# KiCad board DFTBoard.kicad_pcb (continued)
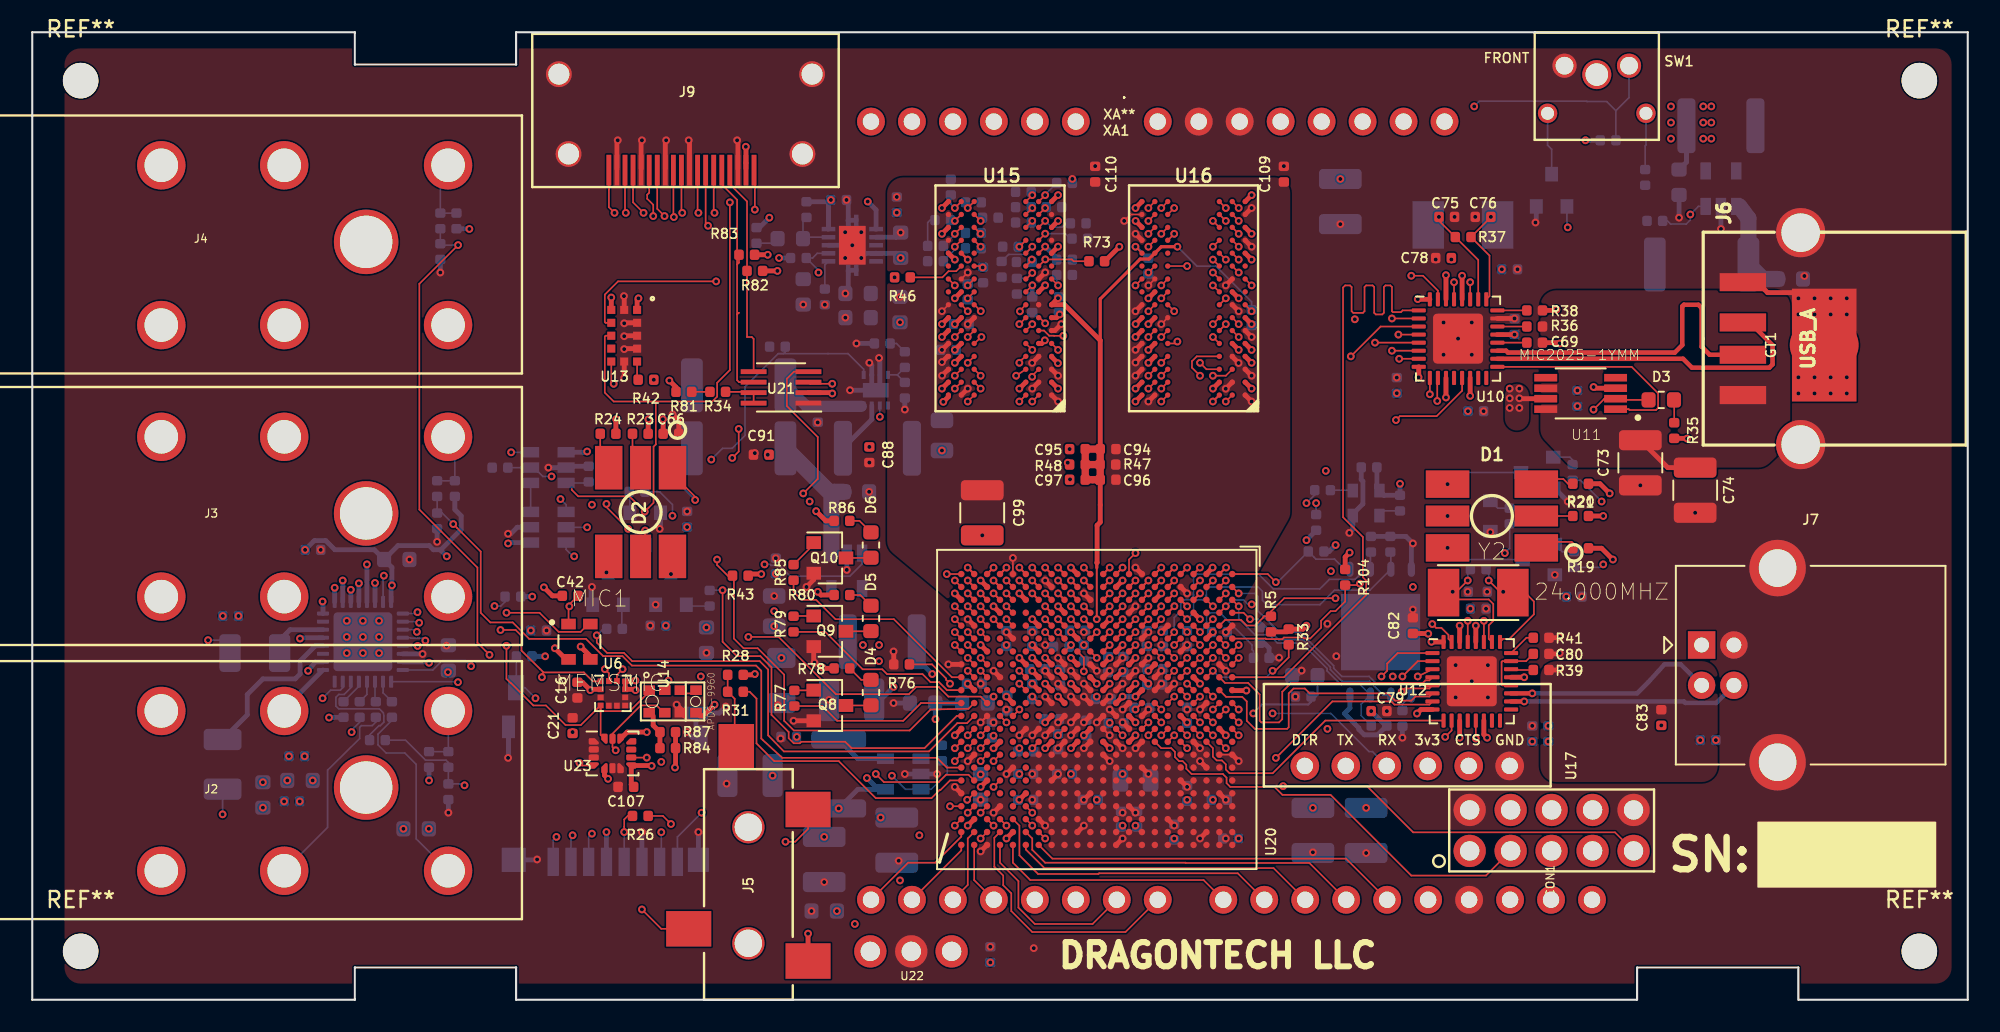
[diagram p0: board, top side]
## Routing (per net, layer and track width the routed paths; a pad name or vN(x,y) marks a point on that pad's centre or on a via; arc(x,y) is an arc through that point) (continued)
DDR3_BA0: length 51.5
  TOP_GND w0.102: U16.M2 v1(74.8,45.9) ; U15.M2 62.8,46.7 v1(62.8,46.71)
  TOP_GND w0.13: U20.L7 v1(66.8,22)
  SIGNAL4 w0.102: v1(66.8,22) 66.4,22.4 66.4,26.98 67.93,28.51 69.11,28.51 69.4,28.8 69.43,28.83 69.47,28.85 69.52,28.86 69.56,28.86 69.6,28.85 69.64,28.83 69.71,28.77 69.75,28.75 69.79,28.74 69.84,28.74 69.88,28.75 69.92,28.77 69.95,28.8 70.1,28.95 70.13,28.98 70.15,29.02 70.16,29.06 70.16,29.11 70.15,29.15 70.13,29.19 70.1,29.22 69.96,29.36 69.97,29.37 69.83,29.5 69.8,29.54 69.78,29.58 69.77,29.62 69.77,29.66 69.78,29.71 69.8,29.74 69.83,29.78 69.98,29.93 70.01,29.95 70.05,29.97 70.09,29.98 70.14,29.98 70.18,29.97 70.22,29.95 70.25,29.93 70.53,29.65 70.56,29.62 70.6,29.61 70.64,29.6 70.69,29.6 70.73,29.61 70.77,29.62 70.8,29.65 70.95,29.8 70.98,29.83 71,29.87 71.01,29.92 71.01,29.96 71,30 70.98,30.04 70.95,30.08 70.68,30.35 70.65,30.39 70.63,30.43 70.62,30.47 70.62,30.51 70.63,30.55 70.65,30.59 70.68,30.63 70.83,30.78 70.86,30.8 70.9,30.82 70.94,30.83 70.98,30.83 71.03,30.82 71.07,30.8 71.1,30.78 71.38,30.5 71.41,30.47 71.45,30.45 71.49,30.44 71.54,30.44 71.58,30.45 71.62,30.47 71.65,30.5 71.8,30.65 71.83,30.68 71.85,30.72 71.86,30.77 71.86,30.81 71.85,30.85 71.83,30.89 71.8,30.92 71.52,31.2 71.5,31.23 71.48,31.27 71.47,31.32 71.47,31.36 71.48,31.4 71.5,31.44 71.52,31.48 71.67,31.62 71.71,31.65 71.75,31.67 71.79,31.68 71.83,31.68 71.88,31.67 71.92,31.65 71.98,31.6 72.02,31.58 72.07,31.57 72.11,31.57 72.15,31.58 72.19,31.6 72.22,31.62 73.1,32.5 77.55,36.95 77.55,45.3 76.55,46.3 75.2,46.3 v1(74.8,45.9) 73.85,46.85 73.63,46.85 73.38,47.1 67.45,47.1 67.05,47.5 64.95,47.5 64.55,47.1 63.19,47.1 v1(62.8,46.71) 62.8,46.6
  BOTTOM w0.3: R66.1 63.51,45.99 v1(62.8,46.71)
DDR3_BA1: length 50.1
  TOP_GND w0.102: U15.N8 v1(57.2,46.7) ; U16.N8 v1(69.2,46.7)
  TOP_GND w0.13: U20.L6 v1(66.8,22.8)
  SIGNAL1 w0.102: 57.2,46.51 v1(57.2,46.7) 57.59,46.31 58.62,46.31 59.41,45.51 63.19,45.51 63.21,45.49 67.29,45.49 68.11,46.31 68.81,46.31 v1(69.2,46.7) 69.2,45.68 71.25,43.63 71.25,41.75 70.2,40.7 67.3,40.7 66.43,39.83 66.43,32.17 66.42,32.13 66.41,32.09 66.38,32.05 66.35,32.02 66.31,31.99 66.27,31.98 66.22,31.97 66.15,31.97 66.11,31.97 66.07,31.96 66.03,31.93 66,31.9 65.97,31.86 65.96,31.82 65.95,31.78 65.96,31.73 65.97,31.69 66,31.65 66.03,31.62 66.07,31.59 66.11,31.58 66.15,31.57 66.7,31.57 66.74,31.57 66.78,31.56 66.82,31.53 66.85,31.5 66.88,31.46 66.89,31.42 66.9,31.38 66.89,31.33 66.88,31.29 66.85,31.25 66.82,31.22 66.78,31.19 66.74,31.18 66.7,31.18 66.15,31.18 66.11,31.17 66.07,31.16 66.03,31.13 66,31.1 65.97,31.06 65.96,31.02 65.95,30.97 65.96,30.93 65.97,30.89 66,30.85 66.03,30.82 66.07,30.79 66.11,30.78 66.15,30.78 66.7,30.78 66.74,30.77 66.78,30.76 66.82,30.73 66.85,30.7 66.88,30.66 66.89,30.62 66.9,30.57 66.89,30.53 66.88,30.49 66.85,30.45 66.82,30.42 66.78,30.39 66.74,30.38 66.7,30.38 66.62,30.38 66.58,30.37 66.54,30.36 66.5,30.33 66.47,30.3 66.44,30.26 66.43,30.22 66.43,30.18 66.43,30.03 65.6,29.2 65.6,24.15 65.45,24 64.95,24 64.8,23.85 64.8,23.3 64.9,23.2 66.26,23.2 66.66,22.8 v1(66.8,22.8)
  BOTTOM w0.102: v1(57.2,46.7) 57.2,46.52 R67.1
DDR3_BA2: length 52.4
  TOP_GND w0.102: U16.M3 v1(74,45.9) ; U15.M3 v1(62,46.7)
  TOP_GND w0.13: U20.M6 v1(66,22.8)
  SIGNAL2 w0.102: v1(62,46.7) 62.39,46.31 64.31,46.31 64.56,46.05 67.97,46.05 68.23,46.31 73.59,46.31 v1(74,45.9)
  SIGNAL4 w0.102: v1(66,22.8) 65.59,23.21 65.59,23.85 66,24.25 66,26.91 67.8,28.71 68.41,28.71 71.72,32.03 71.76,32.05 71.8,32.07 71.84,32.08 71.89,32.08 71.93,32.07 71.97,32.05 72.04,32 72.08,31.98 72.13,31.97 72.17,31.97 72.22,31.98 72.26,32 72.29,32.03 72.43,32.17 72.46,32.2 72.48,32.24 72.49,32.29 72.49,32.33 72.48,32.37 72.46,32.41 72.43,32.45 72.11,32.77 72.08,32.81 72.05,32.86 72.04,32.92 72.04,32.97 72.05,33.03 72.08,33.08 72.11,33.12 72.18,33.19 72.23,33.23 72.28,33.25 72.33,33.26 72.39,33.26 72.44,33.25 72.49,33.23 72.54,33.19 72.86,32.87 72.89,32.85 72.93,32.83 72.98,32.82 73.02,32.82 73.06,32.83 73.1,32.85 73.14,32.87 73.28,33.01 73.31,33.05 73.33,33.09 73.34,33.13 73.34,33.18 73.33,33.22 73.31,33.26 73.28,33.3 72.96,33.62 72.93,33.66 72.9,33.71 72.89,33.76 72.89,33.82 72.9,33.88 72.93,33.93 72.96,33.97 73.03,34.04 73.08,34.08 73.13,34.1 73.18,34.11 73.24,34.11 73.29,34.1 73.34,34.08 73.39,34.04 73.7,33.72 73.74,33.69 73.78,33.67 73.82,33.66 73.87,33.66 73.91,33.67 73.95,33.69 73.99,33.72 74.13,33.86 74.16,33.9 74.18,33.94 74.19,33.98 74.19,34.03 74.18,34.07 74.16,34.11 74.13,34.15 73.81,34.46 73.78,34.51 73.75,34.56 73.74,34.61 73.74,34.67 73.75,34.72 73.78,34.77 73.81,34.82 73.88,34.89 73.93,34.92 73.98,34.95 74.03,34.96 74.09,34.96 74.14,34.95 74.19,34.92 74.24,34.89 74.55,34.57 74.59,34.54 74.63,34.52 74.67,34.51 74.72,34.51 74.76,34.52 74.8,34.54 74.84,34.57 74.98,34.71 75.01,34.75 75.03,34.79 75.04,34.83 75.04,34.88 75.03,34.92 75.01,34.96 74.95,35.03 74.93,35.07 74.92,35.11 74.92,35.16 74.93,35.2 74.95,35.24 74.98,35.28 76.35,36.65 76.35,41.7 77.05,42.4 77.05,45.15 76.7,45.5 74.4,45.5 v1(74,45.9) 74,45.7
  BOTTOM w0.102: v1(62,46.7) 61.52,46.22 60.54,46.22 R68.1
DDR3_CAS#: length 52.1
  TOP_GND w0.102: U16.K3 v1(73.2,45.1) ; U15.K3 61.62,44.7 v1(62,45.08)
  TOP_GND w0.13: U20.P3 v1(63.6,25.2)
  SIGNAL1 w0.102: v1(63.6,25.2) 63.6,25.39
  SIGNAL2 w0.102: v1(62,45.08) 62.42,45.5 62.75,45.5 64.15,45.5 64.45,45.2 64.6,45.2 64.63,45.2 64.66,45.19 64.68,45.17 64.71,45.15 64.72,45.12 64.73,45.09 64.74,45.03 64.75,45.01 64.76,44.98 64.79,44.96 64.81,44.94 64.84,44.93 64.87,44.93 65,44.93 65.03,44.93 65.06,44.94 65.08,44.96 65.11,44.98 65.12,45.01 65.13,45.03 65.14,45.09 65.15,45.12 65.16,45.15 65.19,45.17 65.21,45.19 65.24,45.2 65.27,45.2 66.4,45.2 66.44,45.19 66.49,45.18 66.52,45.16 66.56,45.12 66.58,45.09 66.59,45.04 66.61,44.96 66.62,44.91 66.64,44.88 66.68,44.84 66.71,44.82 66.76,44.81 66.8,44.8 66.84,44.81 66.89,44.82 66.92,44.84 66.96,44.88 66.98,44.91 66.99,44.96 67,45 67,45.35 67,45.38 67.01,45.42 67.03,45.44 67.06,45.47 67.08,45.49 67.12,45.5 67.15,45.5 67.25,45.5 67.28,45.5 67.32,45.49 67.34,45.47 67.37,45.44 67.39,45.42 67.4,45.38 67.4,45.32 67.41,45.28 67.43,45.26 67.46,45.23 67.48,45.21 67.52,45.2 67.55,45.2 68.72,45.2 69.01,45.49 70.91,45.49 71.3,45.1 v1(73.2,45.1)
  SIGNAL4 w0.102: v1(73.2,45.1) U16.K3 73.6,43.9 71.41,41.71 71.41,40.5 71.4,40.44 71.38,40.39 71.35,40.35 71.32,40.31 71.27,40.28 71.22,40.26 71.11,40.25 71.06,40.23 71.01,40.2 70.97,40.17 70.95,40.12 70.93,40.07 70.92,40.01 70.92,39.9 70.93,39.84 70.95,39.79 70.97,39.75 71.01,39.71 71.06,39.68 71.11,39.66 71.16,39.66 71.55,39.66 71.58,39.65 71.61,39.64 71.64,39.63 71.66,39.6 71.68,39.58 71.69,39.55 71.69,39.51 71.69,39.2 71.69,39.17 71.68,39.14 71.66,39.11 71.64,39.09 71.61,39.07 71.58,39.06 71.55,39.06 71.16,39.06 71.11,39.05 71.06,39.03 71.01,39 70.97,38.97 70.95,38.92 70.93,38.87 70.92,38.81 70.92,38.7 70.93,38.64 70.95,38.59 70.97,38.55 71.01,38.51 71.06,38.48 71.11,38.46 71.16,38.46 71.55,38.46 71.58,38.45 71.61,38.44 71.64,38.43 71.66,38.4 71.68,38.38 71.69,38.35 71.69,38.31 71.69,38 71.69,37.97 71.68,37.94 71.66,37.91 71.64,37.89 71.61,37.87 71.58,37.86 71.55,37.86 71.16,37.86 71.11,37.85 71.06,37.83 71.01,37.8 70.97,37.77 70.95,37.72 70.93,37.67 70.92,37.61 70.92,37.5 70.93,37.44 70.95,37.39 70.97,37.35 71.01,37.31 71.06,37.28 71.11,37.26 71.16,37.26 71.41,37.26 71.41,37.25 71.55,37.25 71.58,37.24 71.61,37.23 71.64,37.22 71.66,37.19 71.68,37.17 71.69,37.14 71.69,37.11 71.69,36.79 70.86,35.96 70.83,35.92 70.81,35.87 70.8,35.82 70.8,35.77 70.81,35.71 70.83,35.66 70.9,35.58 70.92,35.53 70.93,35.48 70.93,35.42 70.92,35.37 70.9,35.32 70.86,35.28 70.78,35.2 70.74,35.16 70.69,35.14 70.64,35.13 70.58,35.13 70.53,35.14 70.48,35.16 70.44,35.2 70.1,35.54 70.06,35.57 70.01,35.6 69.95,35.61 69.9,35.61 69.85,35.6 69.8,35.57 69.76,35.54 69.67,35.46 69.64,35.42 69.62,35.37 69.6,35.31 69.6,35.26 69.62,35.21 69.64,35.16 69.67,35.12 70.02,34.77 70.05,34.73 70.07,34.68 70.09,34.63 70.09,34.58 70.07,34.52 70.05,34.47 70.02,34.43 69.93,34.35 69.89,34.32 69.84,34.29 69.79,34.28 69.74,34.28 69.68,34.29 69.63,34.32 69.59,34.35 69.25,34.69 69.21,34.73 69.16,34.75 69.11,34.76 69.05,34.76 69,34.75 68.95,34.73 68.91,34.69 68.83,34.61 68.79,34.57 68.77,34.52 68.76,34.47 68.76,34.41 68.77,34.36 68.79,34.31 68.83,34.27 69.17,33.93 69.2,33.88 69.23,33.83 69.24,33.78 69.24,33.73 69.23,33.67 69.2,33.63 69.17,33.58 69.09,33.5 69.04,33.47 68.99,33.44 68.94,33.43 68.89,33.43 68.83,33.44 68.79,33.47 68.74,33.5 68.4,33.84 68.36,33.88 68.31,33.9 68.26,33.91 68.2,33.91 68.15,33.9 68.1,33.88 68.06,33.84 67.98,33.76 67.94,33.72 67.92,33.67 67.91,33.62 67.91,33.56 67.92,33.51 67.94,33.46 67.98,33.42 68.32,33.08 68.35,33.03 68.38,32.99 68.39,32.93 68.39,32.88 68.38,32.83 68.35,32.78 68.32,32.73 68.24,32.65 68.2,32.62 68.15,32.6 68.09,32.58 68.04,32.58 67.99,32.6 67.94,32.62 67.9,32.65 67.55,33 67.51,33.03 67.46,33.05 67.41,33.06 67.35,33.06 67.3,33.05 67.25,33.03 67.21,33 67.13,32.91 67.09,32.87 67.07,32.82 67.06,32.77 67.06,32.71 67.07,32.66 67.09,32.61 67.13,32.57 67.47,32.23 67.5,32.19 67.53,32.14 67.54,32.08 67.54,32.03 67.53,31.98 67.5,31.93 67.47,31.89 67.39,31.8 67.35,31.77 67.3,31.75 67.24,31.73 67.19,31.73 67.14,31.75 67.09,31.77 67.05,31.8 66.7,32.15 66.66,32.18 66.61,32.2 66.56,32.22 66.51,32.22 66.45,32.2 66.4,32.18 66.36,32.15 66.28,32.06 66.25,32.02 66.22,31.97 66.21,31.92 66.21,31.87 66.22,31.81 66.25,31.76 66.28,31.72 66.45,31.55 66.45,31.55 66.62,31.37 66.65,31.33 66.67,31.28 66.69,31.23 66.69,31.18 66.67,31.12 66.65,31.07 66.62,31.03 66.53,30.95 66.49,30.92 66.44,30.89 66.39,30.88 66.34,30.88 66.28,30.89 66.23,30.92 66.15,30.98 66.1,31.01 66.05,31.02 65.99,31.02 65.94,31.01 65.89,30.98 65.85,30.95 63.2,28.3 63.2,25.6 v1(63.6,25.2)
  BOTTOM w0.102: R70.1 61.66,44.73 v1(62,45.08)
DDR3_CK_N: length 48.3
  TOP_GND w0.102: U15.K7 v1(58,44.3) ; U16.K7 v1(70,44.3)
  TOP_GND w0.13: U20.N5 v1(64.4,23.6)
  SIGNAL1 w0.102: v1(64.4,23.6) 64.4,23.74 64.8,24.14 64.8,27.71 64.8,27.72 64.8,28.8 65.4,29.39 65.4,34.4 65.4,34.41 65.41,34.43 65.42,34.44 65.43,34.45 65.44,34.46 65.46,34.47 65.47,34.47 65.59,34.47 65.65,34.48 65.7,34.49 65.75,34.53 65.8,34.57 65.83,34.62 65.85,34.67 65.85,34.73 65.85,35.01 65.85,35.07 65.83,35.13 65.8,35.17 65.75,35.22 65.7,35.25 65.65,35.27 65.59,35.27 64.95,35.27 64.91,35.28 64.88,35.29 64.85,35.31 64.83,35.33 64.81,35.36 64.8,35.39 64.8,35.42 64.8,35.52 64.8,35.55 64.81,35.59 64.83,35.61 64.85,35.64 64.88,35.65 64.91,35.67 64.95,35.67 65.67,35.67 65.74,35.68 65.81,35.7 65.88,35.74 65.93,35.79 65.97,35.86 65.99,35.93 66,36 66,36.14 65.99,36.22 65.97,36.29 65.93,36.35 65.88,36.4 65.81,36.44 65.74,36.46 65.67,36.47 64.95,36.47 64.91,36.48 64.88,36.49 64.85,36.51 64.83,36.53 64.81,36.56 64.8,36.59 64.8,36.62 64.8,36.72 64.8,36.75 64.81,36.79 64.83,36.81 64.85,36.84 64.88,36.85 64.91,36.87 64.95,36.87 65.67,36.87 65.74,36.88 65.81,36.9 65.88,36.94 65.93,36.99 65.97,37.06 65.99,37.13 66,37.2 66,37.34 65.99,37.42 65.97,37.49 65.93,37.55 65.88,37.6 65.81,37.64 65.74,37.66 65.67,37.67 64.95,37.67 64.91,37.68 64.88,37.69 64.85,37.71 64.83,37.73 64.81,37.76 64.8,37.79 64.8,37.82 64.8,37.92 64.8,37.95 64.81,37.99 64.83,38.01 64.85,38.04 64.88,38.05 64.91,38.07 64.95,38.07 65.67,38.07 65.74,38.08 65.81,38.1 65.88,38.14 65.93,38.19 65.97,38.26 65.99,38.33 66,38.4 66,38.54 65.99,38.62 65.97,38.69 65.93,38.75 65.88,38.8 65.81,38.84 65.74,38.86 65.67,38.87 64.95,38.87 64.91,38.88 64.88,38.89 64.85,38.91 64.83,38.93 64.81,38.96 64.8,38.99 64.8,39.02 64.8,39.12 64.8,39.15 64.81,39.19 64.83,39.21 64.85,39.24 64.88,39.25 64.91,39.27 64.95,39.27 65.07,39.27 65.14,39.28 65.21,39.3 65.28,39.34 65.33,39.39 65.37,39.46 65.39,39.53 65.4,39.6 65.4,41.35 65.55,41.5 70.2,41.5 70.4,41.7 70.4,43.9 v1(70,44.3) 69.6,43.9 69,43.9 68.43,43.33 68.12,43.33 67.91,43.11 62.6,43.11 62.12,43.6 59.04,43.6 58.34,44.3 v1(58,44.3)
DDR3_CK_P: length 46.8
  TOP_GND w0.102: U15.J7 v1(58,43.5) ; U16.J7 v1(70,43.5)
  TOP_GND w0.13: U20.N4 v1(64.4,24.4)
  SIGNAL1 w0.102: v1(64.4,24.4) 64,24.8 64,27.2 64.6,27.8 64.6,27.95 64.35,28.2 64.35,28.65 65.2,29.5 65.2,34.41 65.2,34.47 65.22,34.53 65.25,34.57 65.29,34.62 65.34,34.65 65.4,34.67 65.46,34.67 65.57,34.67 65.59,34.67 65.61,34.68 65.62,34.69 65.63,34.7 65.64,34.71 65.65,34.73 65.65,34.75 65.65,35 65.65,35.01 65.64,35.03 65.63,35.04 65.62,35.05 65.61,35.06 65.59,35.07 65.57,35.07 64.93,35.07 64.85,35.08 64.78,35.1 64.72,35.14 64.67,35.19 64.63,35.26 64.6,35.33 64.59,35.4 64.59,35.54 64.6,35.62 64.63,35.69 64.67,35.75 64.72,35.8 64.78,35.84 64.85,35.86 64.93,35.87 65.65,35.87 65.68,35.88 65.71,35.89 65.74,35.91 65.77,35.93 65.78,35.96 65.79,35.99 65.8,36.02 65.8,36.12 65.79,36.15 65.78,36.19 65.77,36.21 65.74,36.24 65.71,36.25 65.68,36.27 65.65,36.27 64.93,36.27 64.85,36.28 64.78,36.3 64.72,36.34 64.67,36.39 64.63,36.46 64.6,36.53 64.59,36.6 64.59,36.74 64.6,36.82 64.63,36.89 64.67,36.95 64.72,37 64.78,37.04 64.85,37.06 64.93,37.07 65.65,37.07 65.68,37.08 65.71,37.09 65.74,37.11 65.77,37.13 65.78,37.16 65.79,37.19 65.8,37.22 65.8,37.32 65.79,37.35 65.78,37.39 65.77,37.41 65.74,37.44 65.71,37.45 65.68,37.47 65.65,37.47 64.93,37.47 64.85,37.48 64.78,37.5 64.72,37.54 64.67,37.59 64.63,37.66 64.6,37.73 64.59,37.8 64.59,37.94 64.6,38.02 64.63,38.09 64.67,38.15 64.72,38.2 64.78,38.24 64.85,38.26 64.93,38.27 65.65,38.27 65.68,38.28 65.71,38.29 65.74,38.31 65.77,38.33 65.78,38.36 65.79,38.39 65.8,38.42 65.8,38.52 65.79,38.55 65.78,38.59 65.77,38.61 65.74,38.64 65.71,38.65 65.68,38.67 65.65,38.67 64.93,38.67 64.85,38.68 64.78,38.7 64.72,38.74 64.67,38.79 64.63,38.86 64.6,38.93 64.59,39 64.59,39.14 64.6,39.22 64.63,39.29 64.67,39.35 64.72,39.4 64.78,39.44 64.85,39.46 64.93,39.47 65.05,39.47 65.08,39.48 65.11,39.49 65.14,39.51 65.16,39.53 65.18,39.56 65.19,39.59 65.2,39.62 65.2,42.15 65.35,42.3 69.8,42.3 70,42.5 v1(70,43.5) 69.6,43.1 68.2,43.1 67.78,42.67 67.43,42.67 67.2,42.9 62.53,42.9 62.03,43.4 60.5,43.4 60.15,43.05 59.25,43.05 58.8,43.5 v1(58,43.5)
DDR3_CKE: length 39.2
  TOP_GND w0.102: U16.K9 v1(68.4,44.3) ; U15.K9 v1(57.2,44.3)
  TOP_GND w0.13: U20.V3 v1(60.4,25.2)
  SIGNAL1 w0.102: v1(68.4,44.3) 66.7,44.3 66.66,44.3 66.61,44.32 66.58,44.34 66.54,44.37 66.52,44.41 66.51,44.45 66.5,44.54 66.48,44.59 66.46,44.62 66.43,44.65 66.39,44.68 66.35,44.69 66.3,44.7 66.3,44.7 66.26,44.69 66.21,44.68 66.18,44.65 66.14,44.62 66.12,44.59 66.11,44.54 66.1,44.5 66.1,44.3 66.1,44.3 66.1,44.1 66.1,44.06 66.08,44.01 66.06,43.98 66.03,43.95 65.99,43.92 65.95,43.91 65.9,43.9 65.9,43.9 65.85,43.91 65.81,43.92 65.77,43.95 65.74,43.98 65.72,44.01 65.7,44.06 65.7,44.15 65.68,44.19 65.66,44.23 65.63,44.26 65.59,44.28 65.55,44.3 65.5,44.3 65,44.3 64.6,43.9 59.2,43.9 58.4,44.7 57.6,44.7 v1(57.2,44.3)
  SIGNAL4 w0.102: v1(60.4,25.2) 60,25.6 60.01,25.61 60.01,28.58 60.71,29.29 60.74,29.29 61.53,30.07 61.55,30.09 61.58,30.11 61.61,30.12 61.64,30.12 61.67,30.11 61.7,30.09 61.72,30.07 61.81,29.99 61.83,29.97 61.86,29.96 61.89,29.95 61.92,29.95 61.95,29.96 61.98,29.97 62.01,29.99 62.09,30.07 62.11,30.1 62.13,30.13 62.13,30.16 62.13,30.19 62.13,30.22 62.11,30.25 62.09,30.27 61.72,30.64 61.7,30.67 61.69,30.69 61.68,30.73 61.68,30.76 61.69,30.79 61.7,30.82 61.72,30.84 61.81,30.92 61.83,30.94 61.86,30.96 61.89,30.96 61.92,30.96 61.95,30.96 61.98,30.94 62,30.92 62.09,30.84 62.12,30.82 62.14,30.81 62.17,30.8 62.21,30.8 62.24,30.81 62.26,30.82 62.29,30.84 68.1,36.65 68.53,36.65 68.8,36.92 68.8,43.9 v1(68.4,44.3)
DDR3_CS#: length 48.3
  TOP_GND w0.102: U16.L2 v1(74.8,45.1) ; U15.L2 62.81,45.91 v1(62.81,45.91) 64.45,45.91 64.56,45.8 R73.1
  TOP_GND w0.13: U20.P6 v1(63.6,22.8)
  SIGNAL2 w0.102: v1(62.81,45.91) 64.21,45.91 64.37,45.75 65.8,45.75 65.83,45.75 65.86,45.74 65.88,45.72 65.9,45.7 65.92,45.68 65.93,45.65 65.93,45.59 65.94,45.56 65.96,45.54 65.98,45.52 66,45.5 66.03,45.49 66.06,45.49 66.2,45.49 66.23,45.49 66.26,45.5 66.28,45.52 66.3,45.54 66.32,45.56 66.33,45.59 66.33,45.65 66.34,45.68 66.36,45.7 66.38,45.72 66.4,45.74 66.43,45.75 66.46,45.75 67.45,45.75 67.7,45.5 68.58,45.5 68.98,45.9 72.1,45.9 72.5,45.5 U16.L2 v1(74.8,45.1)
  SIGNAL4 w0.102: v1(74.8,45.1) 75.14,45.1 75.25,45.21 76.16,45.21 76.53,44.83 76.53,42.93 75.9,42.3 75.4,42.3 75.2,42.1 75.2,36.6 68.54,29.94 68.46,29.86 68.44,29.83 68.42,29.8 68.42,29.77 68.42,29.74 68.42,29.71 68.44,29.68 68.46,29.66 68.53,29.59 68.55,29.56 68.56,29.53 68.57,29.5 68.57,29.47 68.56,29.44 68.55,29.41 68.53,29.39 68.44,29.3 68.42,29.29 68.39,29.27 68.36,29.26 68.33,29.26 68.3,29.27 68.27,29.29 68.24,29.3 68.17,29.38 68.15,29.39 68.12,29.41 68.09,29.42 68.06,29.42 68.03,29.41 68,29.39 67.97,29.38 65.6,27 65.6,24.2 65.4,24 64.2,24 64,23.8 64,23.2 v1(63.6,22.8)
DDR3_DM0: length 30.9
  TOP_GND w0.102: v1(71,40.82) 70.88,40.7 U16.E7
  TOP_GND w0.13: U20.B1 74,26.8 v1(74.02,26.8)
  SIGNAL2 w0.102: v1(74.02,26.8) 74.02,26.6 73.6,26.19 73.6,25.82 73.38,25.6 72.22,25.6 72,25.82 72,28.1 74.62,30.72 74.62,31.44 74.61,31.45 74.61,34.74 75.2,35.33 75.2,38.5 74.92,38.78 74.63,38.78 74.08,39.33 74.08,39.47 73.83,39.72 73.83,40.22 73.64,40.41 73.01,40.41 72.71,40.71 72.34,40.71 72.15,40.9 72.15,42.75 72.38,42.97 73.28,42.97 73.4,43.1 73.4,43.25 73.1,43.55 71.6,43.55 71.3,43.25 71.3,42.6 71,42.3 v1(71,40.82)
DDR3_DM1: length 20.6
  TOP_GND w0.102: v1(72.4,38.7) 71.9,39.2 71.9,39.6 72.2,39.9 U16.D3
  TOP_GND w0.13: U20.H3 v1(69.2,25.2)
  SIGNAL2 w0.102: v1(69.2,25.2) 68.86,25.2 68.79,25.27 68.79,25.51 68.89,25.61 69.39,25.61 69.6,25.82 69.6,29.2 70.04,29.64 70.04,34.64 70.12,34.72 70.31,34.72 70.44,34.86 70.44,35.15 70.05,35.54 70.02,35.58 70,35.62 69.99,35.66 69.99,35.71 70,35.75 70.02,35.79 70.05,35.83 70.09,35.85 70.13,35.87 70.17,35.88 70.21,35.88 70.26,35.87 70.3,35.85 70.33,35.83 70.64,35.52 70.67,35.49 70.71,35.47 70.76,35.46 70.8,35.46 70.85,35.47 70.89,35.49 70.92,35.52 72.4,37 v1(72.4,38.7)
DDR3_DM2: length 21.6
  TOP_GND w0.102: U15.E7 v1(58.85,41.1)
  TOP_GND w0.13: U20.P1 v1(63.6,26.8)
  SIGNAL1 w0.102: v1(63.6,26.8) 63.6,27.3 63.99,27.69 63.99,29.89 64,29.92 64.01,29.95 64.02,29.98 64.05,30 64.07,30.02 64.1,30.03 64.13,30.03 64.17,30.03 64.2,30.04 64.23,30.05 64.26,30.06 64.28,30.09 64.3,30.11 64.31,30.14 64.31,30.17 64.31,30.29 64.31,30.32 64.3,30.35 64.28,30.38 64.26,30.4 64.23,30.42 64.2,30.43 64.17,30.43 63.81,30.43 63.78,30.44 63.75,30.45 63.73,30.46 63.7,30.49 63.69,30.51 63.68,30.54 63.67,30.57 63.67,30.69 63.68,30.72 63.69,30.75 63.7,30.78 63.73,30.8 63.75,30.82 63.78,30.83 63.78,34.82 63.99,35.03 63.99,40.56 63.8,40.75 63.7,40.75 62.95,41.5 59.25,41.5 v1(58.85,41.1)
DDR3_DM3: length 21.9
  TOP_GND w0.102: U15.D3 61.1,39.5
  TOP_GND w0.13: U20.AA2 v1(58,26)
  SIGNAL4 w0.102: v1(58,26) 59.3,27.3 59.3,31.7 59.3,31.72 59.31,31.74 59.32,31.76 59.34,31.78 59.36,31.79 59.38,31.8 59.4,31.8 59.98,31.8 60,31.8 60.02,31.81 60.04,31.82 60.06,31.84 60.07,31.86 60.08,31.88 60.08,31.9 60.08,32.1 60.08,32.12 60.07,32.14 60.06,32.16 60.04,32.18 60.02,32.19 60,32.2 59.98,32.2 58.62,32.2 58.6,32.2 58.58,32.21 58.56,32.22 58.54,32.24 58.53,32.26 58.52,32.28 58.52,32.3 58.52,32.5 58.52,32.52 58.53,32.54 58.54,32.56 58.56,32.58 58.58,32.59 58.6,32.6 58.62,32.6 59.98,32.6 60,32.6 60.02,32.61 60.04,32.62 60.06,32.64 60.07,32.66 60.08,32.68 60.08,32.7 60.08,32.9 60.08,32.92 60.07,32.94 60.06,32.96 60.04,32.98 60.02,32.99 60,33 59.98,33 58.62,33 58.6,33 58.58,33.01 58.56,33.02 58.54,33.04 58.53,33.06 58.52,33.08 58.52,33.1 58.52,33.3 58.52,33.32 58.53,33.34 58.54,33.36 58.56,33.38 58.58,33.39 58.6,33.4 58.62,33.4 59.2,33.4 59.22,33.4 59.24,33.41 59.26,33.42 59.28,33.44 59.29,33.46 59.3,33.48 59.3,33.5 59.3,37.6 v1(61.2,39.5)
DDR3_DQ0: length 30.5
  TOP_GND w0.102: U16.E3 v1(73.2,41.1) ; U20.C3 v1(73.2,24.4)
  SIGNAL2 w0.102: v1(73.2,41.1) 72.7,41.6 72.7,41.99 73.01,42.29 73.79,42.29 73.93,42.43 73.95,42.43 74.61,43.09 74.97,43.09 75.38,43.5 77.4,43.5 78,42.9 78,37.32 78,37.3 77.99,37.27 77.97,37.25 77.95,37.23 77.93,37.21 77.9,37.2 77.85,37.19 77.82,37.19 77.8,37.17 77.78,37.15 77.76,37.13 77.75,37.1 77.75,37.07 77.75,36.72 77.75,36.7 77.76,36.67 77.78,36.65 77.8,36.63 77.82,36.61 77.85,36.6 77.88,36.6 78.15,36.6 78.18,36.59 78.22,36.58 78.24,36.57 78.27,36.54 78.29,36.51 78.3,36.48 78.3,36.45 78.3,36.15 78.3,36.11 78.29,36.08 78.27,36.05 78.24,36.03 78.22,36.01 78.18,36 78.12,35.99 78.08,35.98 78.06,35.97 78.03,35.94 78.01,35.91 78,35.88 78,35.85 78,28.45 75.35,25.8 74.67,25.8 74.4,25.53 74.4,24.87 74.32,24.79 73.59,24.79 v1(73.2,24.4)
DDR3_DQ1: length 32
  TOP_GND w0.102: U16.F7 v1(70,41.1)
  TOP_GND w0.13: U20.F2 v1(70.8,26)
  SIGNAL2 w0.102: v1(70.8,26) 70.8,25.66 70.87,25.59 70.99,25.59 71.19,25.39 71.19,25.01 70.98,24.8 70.62,24.8 70.42,24.59 70.42,24.52 70.4,24.5 70.4,24.23 70.62,24.01 71,24.01 71.21,24.22 71.21,24.59 71.42,24.8 71.78,24.8 71.99,25.01 71.99,25.49 72,25.5 71.21,26.29 71.21,28.31 72.62,29.72 72.62,33.02 72.62,33.05 72.64,33.09 72.65,33.11 72.68,33.14 72.71,33.16 72.74,33.17 72.77,33.17 72.92,33.17 72.95,33.17 72.98,33.19 73.01,33.2 73.03,33.23 73.05,33.26 73.06,33.29 73.07,33.32 73.06,33.35 73.05,33.39 73.03,33.41 73.01,33.44 72.98,33.46 72.95,33.47 72.92,33.47 72.77,33.47 72.74,33.47 72.71,33.49 72.68,33.5 72.65,33.53 72.64,33.56 72.62,33.59 72.62,33.62 72.62,34.47 72.65,34.49 72.67,34.5 72.7,34.51 72.74,34.51 72.77,34.5 72.79,34.49 72.82,34.47 73.29,34 73.32,33.98 73.34,33.97 73.37,33.96 73.41,33.96 73.44,33.97 73.46,33.98 73.49,34 73.57,34.08 73.59,34.11 73.61,34.14 73.61,34.17 73.61,34.2 73.61,34.23 73.59,34.26 73.57,34.28 72.92,34.94 72.9,34.96 72.89,34.99 72.88,35.01 72.88,35.04 72.89,35.07 72.9,35.09 72.92,35.12 73.02,35.22 73.04,35.24 73.07,35.25 73.1,35.26 73.12,35.26 73.15,35.25 73.18,35.24 73.2,35.22 73.43,34.99 73.46,34.97 73.49,34.96 73.52,34.95 73.55,34.95 73.58,34.96 73.61,34.97 73.63,34.99 73.72,35.07 73.73,35.1 73.75,35.13 73.76,35.16 73.76,35.19 73.75,35.22 73.73,35.25 73.72,35.27 73.48,35.51 73.46,35.53 73.45,35.55 73.45,35.58 73.45,35.61 73.45,35.63 73.46,35.66 73.48,35.68 73.59,35.79 73.61,35.81 73.64,35.82 73.66,35.82 73.69,35.82 73.72,35.82 73.74,35.81 73.79,35.77 73.81,35.76 73.84,35.75 73.87,35.75 73.89,35.76 73.92,35.77 73.94,35.79 74.68,36.53 74.68,37.78 74.17,38.3 73.8,38.3 73.62,38.48 73.62,38.87 73.61,38.87 73.28,39.2 73.28,39.58 73.25,39.58 72.64,40.2 71.8,40.2 71.45,39.85 70.8,39.85 70.01,40.64 69.84,40.64 69.62,40.85 69.62,41.2 69.68,41.25 69.85,41.25 v1(70,41.1)
DDR3_DQ2: length 30.4
  TOP_GND w0.102: U16.F2 v1(74.8,41.1) ; U20.B2 v1(74,26)
  SIGNAL2 w0.102: v1(74.8,41.1) 74.49,41.1 74.4,41.19 74.4,41.4 74.5,41.5 75.85,41.5 76.1,41.25 76.1,41.03 76.15,40.97 76.22,40.97 76.4,41.15 76.4,42.6 76.57,42.78 76.72,42.78 76.96,42.54 76.96,41.37 76.96,41.34 76.95,41.31 76.93,41.28 76.91,41.26 76.88,41.24 76.85,41.23 76.82,41.23 76.8,41.23 76.77,41.22 76.74,41.21 76.72,41.2 76.69,41.17 76.68,41.15 76.67,41.12 76.66,41.09 76.66,40.97 76.67,40.94 76.68,40.91 76.69,40.88 76.72,40.86 76.74,40.84 76.77,40.83 76.8,40.83 77.12,40.83 77.15,40.82 77.18,40.81 77.21,40.8 77.23,40.77 77.25,40.75 77.26,40.72 77.26,40.69 77.26,40.57 77.26,40.54 77.25,40.51 77.23,40.48 77.21,40.46 77.18,40.44 77.15,40.43 77.12,40.43 76.91,40.43 76.9,40.43 76.89,40.42 76.88,40.42 76.87,40.41 76.87,40.4 76.86,40.39 76.86,40.38 76.86,40.08 76.86,40.07 76.87,40.06 76.87,40.05 76.88,40.04 76.89,40.03 76.9,40.03 76.91,40.03 77.12,40.03 77.15,40.02 77.18,40.01 77.21,40 77.23,39.97 77.25,39.95 77.26,39.92 77.26,39.89 77.26,39.77 77.26,39.74 77.25,39.71 77.23,39.68 77.21,39.66 77.18,39.64 77.15,39.63 77.12,39.63 76.91,39.63 76.9,39.63 76.89,39.62 76.88,39.62 76.87,39.61 76.87,39.6 76.86,39.59 76.86,39.58 76.86,39.28 76.86,39.27 76.87,39.26 76.87,39.25 76.88,39.24 76.89,39.23 76.9,39.23 76.91,39.23 77.12,39.23 77.15,39.22 77.18,39.21 77.21,39.2 77.23,39.17 77.25,39.15 77.26,39.12 77.26,39.09 77.26,38.97 77.26,38.94 77.25,38.91 77.23,38.88 77.21,38.86 77.18,38.84 77.15,38.83 77.12,38.83 76.91,38.83 76.9,38.83 76.89,38.82 76.88,38.82 76.87,38.81 76.87,38.8 76.86,38.79 76.86,38.78 76.86,38.48 76.86,38.47 76.87,38.46 76.87,38.45 76.88,38.44 76.89,38.43 76.9,38.43 76.91,38.43 77.12,38.43 77.15,38.42 77.18,38.41 77.21,38.4 77.23,38.37 77.25,38.35 77.26,38.32 77.26,38.29 77.26,38.17 77.26,38.14 77.25,38.11 77.23,38.08 77.21,38.06 77.18,38.04 77.15,38.03 77.12,38.03 76.91,38.03 76.9,38.03 76.89,38.02 76.88,38.02 76.87,38.01 76.87,38 76.86,37.99 76.86,37.98 76.86,37.68 76.86,37.67 76.87,37.66 76.87,37.65 76.88,37.64 76.89,37.63 76.9,37.63 76.91,37.63 77.12,37.63 77.15,37.62 77.18,37.61 77.21,37.6 77.23,37.57 77.25,37.55 77.26,37.52 77.26,37.49 77.26,37.37 77.26,37.34 77.25,37.31 77.23,37.28 77.21,37.26 77.18,37.24 77.15,37.23 77.12,37.23 76.91,37.23 76.9,37.23 76.89,37.22 76.88,37.22 76.87,37.21 76.87,37.2 76.86,37.19 76.86,37.18 76.86,36.88 76.86,36.87 76.87,36.86 76.87,36.85 76.88,36.84 76.89,36.83 76.9,36.83 76.91,36.83 77.12,36.83 77.15,36.82 77.18,36.81 77.21,36.8 77.23,36.77 77.25,36.75 77.26,36.72 77.26,36.69 77.26,36.57 77.26,36.54 77.25,36.51 77.23,36.48 77.21,36.46 77.18,36.44 77.15,36.43 77.12,36.43 77.1,36.43 77.07,36.42 77.04,36.41 77.02,36.4 76.99,36.37 76.98,36.35 76.97,36.32 76.96,36.29 76.96,29.01 75.72,27.78 75.72,27.72 75.35,27.35 75.34,27.34 75.33,27.32 75.33,27.3 75.33,27.29 75.33,27.27 75.34,27.25 75.36,27.22 75.37,27.21 75.37,27.19 75.37,27.17 75.37,27.15 75.36,27.14 75.35,27.12 75.18,26.95 75.17,26.94 75.15,26.93 75.14,26.93 75.12,26.93 75.1,26.93 75.08,26.94 75.07,26.95 74.43,27.59 74.41,27.61 74.38,27.63 74.35,27.63 74.32,27.63 74.28,27.63 74.26,27.61 74.23,27.59 74.15,27.51 74.13,27.48 74.11,27.46 74.11,27.42 74.11,27.39 74.11,27.36 74.13,27.33 74.15,27.31 74.73,26.73 74.72,26.72 74.77,26.66 74.78,26.64 74.79,26.63 74.8,26.61 74.8,26.59 74.79,26.57 74.78,26.56 74.77,26.54 74.6,26.38 74.59,26.36 74.57,26.36 74.56,26.35 74.54,26.35 74.52,26.36 74.5,26.36 74.48,26.39 74.46,26.39 74.44,26.4 74.42,26.4 74.41,26.39 74.39,26.39 74.38,26.38 v1(74,26)